# Altium PCB Mirny.PcbDoc (part 5 of 8)
Units mm, origin at the board's own origin, x right, y up, seen from the top; angles counter-clockwise.
Board outline 161.99 x 100.04 mm, 6 copper layers (L1, P2, L3, L4, P5, L6), stack 1.56 mm thick; 832 components, 485 nets, 2438 pads, 1482 vias.
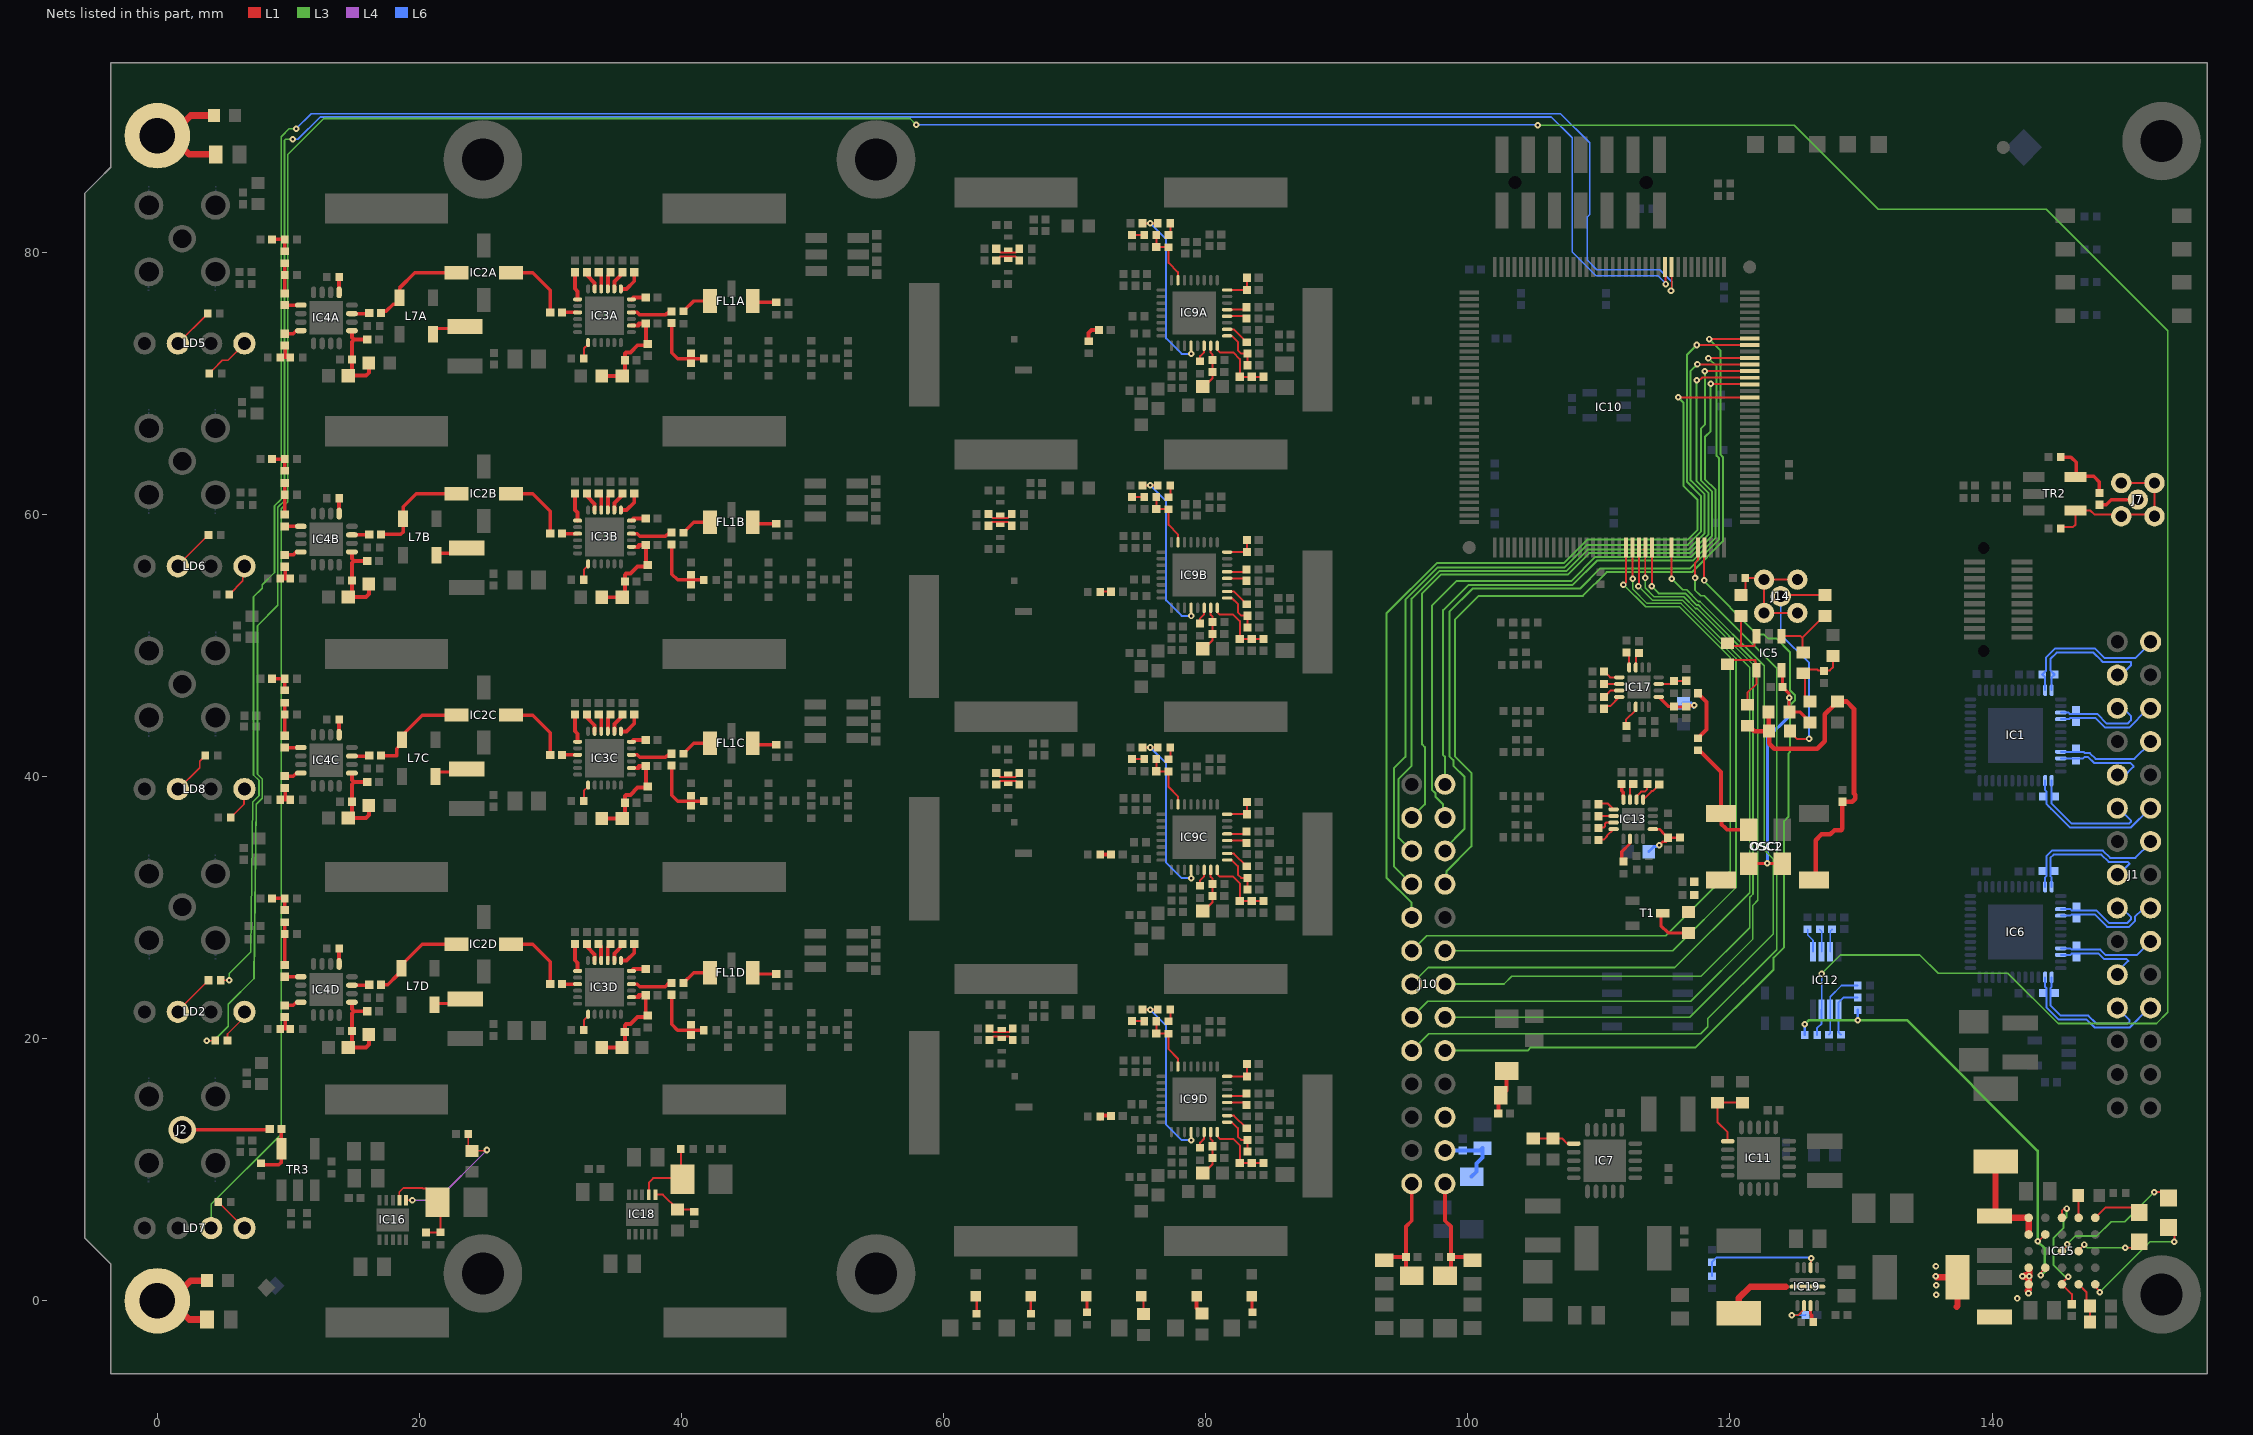
[diagram p9: the nets of this part, all layers, seen from the top]

## Via types
v1: diameter 0.5, hole 0.2, L1 to L6, tented both sides, 1370 vias
v2: diameter 0.6, hole 0.3, L1 to L6, tented both sides, 76 vias
v3: diameter 0.66, hole 0.33, L1 to L6, tented both sides, 36 vias

## Nets (pads, with @x,y where several pads share a name; then routed paths per layer and width w, separated by ;. In a path a pad name is that pad's centre, name@x,y a point inside that pad or via, vN(x,y) a via of type N, cw(c..) or ccw(c..) an arc to the next point about the centre after c; other vN are vias at no path point) (continued)
LED6: IC10.117 R25.1 | length 187.1
  L1 w0.127: R25.1@4.843,24.457 v1(5.488,24.457) ; v1(115.503,77.083) 115.554,77.134 IC10.117@115.554,78.884
  L3 w0.127: v1(5.488,24.457) 5.488,24.975 7.126,26.613 7.291,38.066 7.76,38.535 7.76,39.708 7.343,40.125 7.343,53.725 8,54.383 8,54.641 8.939,55.579 8.939,60.658 9.446,61.165 9.446,88.832 10.06,89.446 v1(10.594,89.446)
  L6 w0.127: v1(10.594,89.446) 11.737,90.589 107.065,90.589 109.294,88.36 109.294,82.884 109.105,82.694 109.105,79.421 109.842,78.684 114.651,78.684 115.568,77.767 115.568,77.148 v1(115.503,77.083)
LED7: IC10.118 R26.1 | length 190.2
  L1 w0.127: v1(3.77,19.85) R26.1@4.414,19.85
  L1 w0.152: IC10.118@115.054,78.884 115.084,78.854 115.084,77.614 v1(115.114,77.585)
  L3 w0.127: v1(3.77,19.85) 4.306,19.85 5.406,20.95 5.406,22.619 7.38,24.593 7.555,37.881 8.014,38.34 8.014,39.814 7.643,40.184 7.643,51.518 9.193,53.068 9.193,60.553 9.7,61.06 9.7,88.546 9.774,88.621 v1(10.338,88.621)
  L6 w0.127: v1(10.338,88.621) 10.719,88.621 12.434,90.335 106.367,90.335 107.954,88.748 107.954,80.034 109.781,78.207 114.505,78.207 115.114,77.598 v1(115.114,77.585)
LVDS0_N: IC1.48 J1.3 R7.2 | length 10.9
  L6 w0.152: IC1.48@144.544,46.588 144.544,47.568 R7.2@144.764,47.788 144.444,48.108 144.444,48.973 144.922,49.452 147.742,49.452 148.368,48.825 148.458,48.736 150.584,48.736 150.584,48.476 149.965,47.857 149.705,47.857 149.705,47.809 J1.3@149.524,47.628
LVDS0_P: IC1.47 J1.2 R7.1 | length 11.7
  L6 w0.152: IC1.47@144.044,46.588 144.044,47.568 R7.1@143.824,47.788 144.133,48.097 144.133,49.093 144.796,49.757 147.868,49.757 148.584,49.041 150.937,49.041 J1.2@152.064,50.168
LVDS1_N: IC1.4 J1.6 R9.2 | length 7.7
  L6 w0.152: IC1.4@145.244,44.388 145.923,44.388 ; 145.923,44.425 145.984,44.486 147.889,44.486 148.639,43.736 150.46,43.736 151.812,45.088 J1.6@152.064,45.088
LVDS1_P: IC1.3 J1.5 R9.1 | length 7.4
  L6 w0.152: IC1.3@145.244,44.888 145.821,44.888 145.919,44.791 148.015,44.791 148.765,44.041 150.334,44.041 150.584,44.291 150.584,44.641 150.136,45.088 J1.5@149.524,45.088
LVDS2_N: IC1.10 J1.9 R11.2 | length 7.5
  L6 w0.152: IC1.10@145.244,41.388 146.951,41.388 147.041,41.478 ; 147.041,41.486 147.334,41.486 147.779,41.041 150.557,41.041 150.774,40.823 150.774,40.742 150.041,40.008 J1.9@149.524,40.008
LVDS2_P: IC1.9 J1.8 R11.1 | length 7.5
  L6 w0.152: IC1.9@145.244,41.888 146.986,41.888 147.066,41.809 ; 147.066,41.791 147.46,41.791 147.905,41.346 150.861,41.346 J1.8@152.064,42.548
LVDS3_N: IC1.14 J1.12 R13.2 | length 11
  L6 w0.152: IC1.14@144.044,39.688 144.044,38.962 144.142,38.865 144.142,37.915 144.323,37.734 144.323,37.72 144.501,37.541 144.515,37.541 145.928,36.128 150.602,36.128 151.942,37.468 J1.12@152.064,37.468
LVDS3_P: IC1.13 J1.11 R13.1 | length 10
  L6 w0.152: IC1.13@144.544,39.688 144.544,37.943 146.055,36.433 150.476,36.433 150.584,36.541 150.584,36.668 149.784,37.468 J1.11@149.524,37.468
LVDS4_N: IC6.48 J1.15 R16.2 | length 10
  L6 w0.152: IC6.48@144.544,31.588 144.544,32.315 144.446,32.412 144.446,33.791 144.696,34.041 148.334,34.041 148.889,33.486 150.35,33.486 150.486,33.35 J1.15@149.524,32.388
LVDS4_P: IC6.47 J1.14 R16.1 | length 11.2
  L6 w0.152: IC6.47@144.044,31.588 144.044,32.315 144.142,32.412 144.142,33.917 144.57,34.346 148.46,34.346 149.015,33.791 150.927,33.791 J1.14@152.064,34.928
LVDS5_N: IC6.4 J1.18 R21.2 | length 8
  L6 w0.152: IC6.4@145.244,29.388 145.97,29.388 146.068,29.486 147.834,29.486 148.779,28.541 150.46,28.541 150.889,28.97 150.889,29.291 151.446,29.848 J1.18@152.064,29.848
LVDS5_P: IC6.3 J1.17 R21.1 | length 7.4
  L6 w0.152: IC6.3@145.244,29.888 145.97,29.888 146.068,29.791 147.96,29.791 148.905,28.846 150.334,28.846 150.584,29.096 150.584,29.291 150.027,29.848 J1.17@149.524,29.848
LVDS6_N: IC6.10 J1.21 R24.2 | length 6.8
  L6 w0.152: IC6.10@145.244,26.388 145.97,26.388 146.068,26.486 148.133,26.486 148.525,26.094 150.233,26.094 150.393,25.934 J1.21@149.558,25.099 ; J1.21@149.524,24.768 J1.21@149.524,24.981
LVDS6_P: IC6.9 J1.20 R24.1 | length 7.5
  L6 w0.152: IC6.9@145.244,26.888 145.97,26.888 146.068,26.791 148.259,26.791 148.652,26.399 151.07,26.399 J1.20@152.098,27.427
LVDS7_N: IC6.14 J1.24 R35.2 | length 11.5
  L6 w0.152: IC6.14@144.044,24.688 144.044,23.962 144.142,23.865 144.142,22.415 145.099,21.458 147.223,21.458 147.826,20.855 150.495,20.855 151.91,22.27 J1.24@151.987,22.347 ; J1.24@151.952,22.228 J1.24@152.064,22.228
LVDS7_P: IC6.13 J1.23 R35.1 | length 10.3
  L6 w0.152: IC6.13@144.544,24.688 144.544,23.962 144.446,23.865 144.446,22.541 145.225,21.763 147.349,21.763 147.952,21.159 150.368,21.159 150.496,21.287 150.496,21.409 J1.23@149.558,22.347
MEZZ_IO0: IC10.57 J10.11 | length 56.5
  L1 w0.152: v1(111.875,54.648) 112.054,54.828 IC10.57@112.054,57.484
  L3 w0.127: J10.11@95.719,26.709 96.853,27.844 115.1,27.844 120.033,32.776 120.033,49.082 116.155,52.96 113.563,52.96 v1(111.875,54.648)
MEZZ_IO1: IC10.58 J10.12 | length 54.9
  L1 w0.152: IC10.58@112.554,57.484 112.573,57.465 v1(112.573,55.093)
  L3 w0.127: J10.12@98.259,26.709 115.636,26.709 120.46,31.533 120.46,49.014 116.26,53.214 113.668,53.214 112.573,54.309 v1(112.573,55.093)
MEZZ_IO2: IC10.59 J10.13 | length 59.9
  L1 w0.152: v1(113.018,54.521) 113.054,54.558 IC10.59@113.054,57.484
  L3 w0.127: J10.13@95.719,24.169 96.987,25.438 115.796,25.438 121.503,31.146 121.503,48.329 116.365,53.468 114.071,53.468 v1(113.018,54.521)
MEZZ_IO3: IC10.60 J10.14 | length 59.1
  L1 w0.127: v1(113.526,55.156) 113.526,57.201 113.399,57.328 IC10.60@113.554,57.484
  L3 w0.127: J10.14@98.259,24.169 102.764,24.169 103.348,24.753 117.79,24.753 121.498,28.461 121.498,30.781 121.757,31.04 121.757,48.556 117.493,52.821 117.371,52.821 116.47,53.722 114.21,53.722 113.526,54.406 v1(113.526,55.156)
MEZZ_IO4: IC10.61 J10.15 | length 63.2
  L1 w0.152: v1(114.034,54.521) 114.054,54.542 IC10.61@114.054,57.484
  L3 w0.127: J10.15@95.719,21.629 96.943,22.854 117.001,22.854 121.752,27.605 121.752,30.192 122.13,30.57 122.13,48.543 117.699,52.973
  L3 w0.152: v1(114.034,54.521) 114.566,53.989 116.581,53.989 117.482,53.088 117.603,53.088 117.708,52.982
MEZZ_IO5: IC10.64 J10.16 | length 60.6
  L1 w0.152: IC10.64@115.554,57.484 115.558,57.48 v1(115.558,55.093)
  L3 w0.127: J10.16@98.259,21.629 116.94,21.629 123.305,27.994 123.305,33.708 122.606,34.407 122.606,48.462 117.713,53.354 117.592,53.354 116.691,54.255 116.395,54.255 v1(115.558,55.093)
MEZZ_IO6: IC10.68 J10.17 | length 64.9
  L1 w0.152: v1(117.336,55.156) 117.336,56.315 117.554,56.534 IC10.68@117.554,57.484
  L3 w0.127: J10.17@95.719,19.089 97.018,20.389 117.773,20.389 118.304,20.92 118.304,21.543 123.559,26.797 123.559,48.274 118.046,53.787 117.777,53.787 117.336,54.228 v1(117.336,55.156)
MEZZ_IO7: IC10.69 J10.18 | length 64.2
  L1 w0.152: v1(118.034,54.966) 118.034,57.464 IC10.69@118.054,57.484
  L3 w0.152: J10.18@98.259,19.089 104.556,19.089 104.804,19.337 117.387,19.337 123.331,25.281 123.331,26.192 124.13,26.992 124.13,36.601 124.456,36.927 124.456,41.756 124.583,41.883 124.583,45.443 124.964,45.824 124.964,46.2 124.583,46.581 124.583,49.502 123.559,50.527 122.917,50.527 122.606,50.838 122.085,50.838 117.958,54.966 v1(118.034,54.966)
MEZZ_IO8: IC10.94 J10.2 | length 51.7
  L1 w0.152: v1(118.533,69.98) 118.557,69.957 121.481,69.957 IC10.94@121.504,69.934
  L3 w0.152: J10.2@98.259,39.409 98.259,41.496 98.115,41.64 98.115,52.693 100.054,54.632 108.004,54.632 109.855,56.484 117.162,56.484 118.903,58.224 118.903,61.882 118.08,62.704 118.08,65.911 118.533,66.364 v1(118.533,69.98)
MEZZ_IO9: IC10.95 J10.3 | length 57.6
  L1 w0.152: v1(117.455,70.25) 117.505,70.2 117.631,70.2 117.865,70.434 IC10.95@121.504,70.434
  L3 w0.152: J10.3@95.719,36.869 96.722,37.873 96.722,42.243 96.508,42.457 96.508,53.979 97.933,55.405 107.619,55.405 109.256,57.042 116.931,57.042 118.344,58.456 118.344,61.651 117.455,62.539 v1(117.455,70.25)
MEZZ_IO10: IC10.96 J10.4 | length 56.6
  L1 w0.152: v1(118.08,70.934) IC10.96@121.504,70.934
  L3 w0.152: J10.4@98.259,36.869 98.115,37.013 98.115,37.869 97.532,38.452 97.532,38.718 97.256,38.994 97.256,53.051 99.116,54.912 107.879,54.912 109.73,56.763 117.046,56.763 118.623,58.34 118.623,61.766 117.801,62.589 117.801,66.574 118.08,66.854 v1(118.08,70.934)
MEZZ_IO11: IC10.97 J10.5 | length 62.1
  L1 w0.152: v1(117.521,71.476) 117.563,71.434 IC10.97@121.504,71.434
  L3 w0.152: J10.5@95.719,34.329 94.716,35.333 94.716,39.825 95.714,40.823 95.714,50.994 95.714,53.581 97.818,55.685 107.503,55.685 109.14,57.322 116.815,57.322 118.064,58.571 118.064,61.535 117.002,62.597 117.002,70.956 v1(117.521,71.476)
MEZZ_IO12: IC10.98 J10.6 | length 59.5
  L1 w0.152: v1(118.359,71.934) IC10.98@121.504,71.934
  L3 w0.152: J10.6@98.259,34.329 98.259,34.522 99.745,36.009 99.745,39.992 98.899,40.838 98.899,41.251 98.592,41.558 98.592,52.568 100.376,54.353 108.568,54.353 110.104,55.889 116.962,55.889 119.182,58.108 119.182,64.271 118.986,64.466 118.986,71.307 v1(118.359,71.934)
MEZZ_IO13: IC10.100 J10.7 | length 66.4
  L1 w0.152: v1(117.455,72.934) IC10.100@121.504,72.934
  L3 w0.152: J10.7@95.719,31.789 94.349,33.16 94.349,40.627 95.23,41.509 95.23,53.492 97.702,55.964 107.387,55.964 109.107,57.684 116.782,57.684 117.785,58.687 117.785,61.419 116.723,62.481 116.723,72.201 v1(117.455,72.934)
MEZZ_IO14: IC10.101 J10.8 | length 63.5
  L1 w0.152: v1(118.406,73.387) 121.457,73.387 IC10.101@121.504,73.434
  L3 w0.152: J10.8@98.259,31.789 98.37,31.901 98.37,32.789 100.263,34.682 100.263,40.282 99.004,41.541 99.004,51.952 100.84,53.787 108.781,53.787 110.587,55.592 110.587,55.609 117.113,55.609 119.461,57.957 119.461,64.386 119.266,64.582 119.266,72.527 v1(118.406,73.387)
MEZZ_IO15: IC10.92 J10.9 | length 66.5
  L1 w0.152: v1(116.054,68.934) IC10.92@121.504,68.934
  L3 w0.152: J10.9@95.719,29.249 95.719,30.371 93.788,32.301 93.788,52.446 97.632,56.289 107.317,56.289 109.105,58.077 116.78,58.077 117.506,58.803 117.506,61.143 116.443,62.205 116.443,68.544 v1(116.054,68.934)
NetB1_1: B1.1 C144.1 R96.1 | length 8.9
  L1 w0.5: B1.1@0,88.9 0.999,88.9 2.543,90.444 R96.1@4.334,90.444 ; B1.1@1.398,88.9 1.398,88.516 2.442,87.472 C144.1@4.463,87.472
NetB2_1: B2.1 C145.1 R137.1 | length 7.7
  L1 w0.5: B2.1@0,0 0.999,0 2.543,1.544 R137.1@3.798,1.544 ; B2.1@1.398,0 1.398,-0.384 2.442,-1.428 C145.1@3.798,-1.428
NetC13A_2: C13A.2 IC9A.29 | length 1.5
  L1 w0.152: IC9A.29@81.63,75.628 C13A.2@83.148,75.628 ; C13A.2@83.12,75.624 C13A.2@83.148,75.624
NetC13B_2: C13B.2 IC9B.29 | length 1.5
  L1 w0.152: IC9B.29@81.63,55.628 C13B.2@83.148,55.628 ; C13B.2@83.12,55.624 C13B.2@83.148,55.624
NetC13C_2: C13C.2 IC9C.29 | length 1.5
  L1 w0.152: IC9C.29@81.63,35.628 C13C.2@83.148,35.628 ; C13C.2@83.12,35.624 C13C.2@83.148,35.624
NetC13D_2: C13D.2 IC9D.29 | length 1.5
  L1 w0.152: IC9D.29@81.63,15.628 C13D.2@83.148,15.628 ; C13D.2@83.12,15.624 C13D.2@83.148,15.624
NetC14A_1: C14A.1 L16A.2 R6A.2 | length 2
  L1 w0.152: C14A.1@64.017,80.275 64.308,79.985 65.493,79.985 R6A.2@65.784,80.275
NetC14B_1: C14B.1 L16B.2 R6B.2 | length 2
  L1 w0.152: C14B.1@63.422,60.03 63.712,59.74 64.898,59.74 R6B.2@65.189,60.03
NetC14C_1: C14C.1 L16C.2 R6C.2 | length 2
  L1 w0.152: C14C.1@64.017,40.275 64.308,39.984 65.493,39.984 R6C.2@65.784,40.275
NetC14D_1: C14D.1 L16D.2 R6D.2 | length 2
  L1 w0.152: C14D.1@63.509,20.783 63.8,20.492 64.985,20.492 R6D.2@65.276,20.783
NetC15A_1: C15A.1 L17A.2 R8A.2 | length 2
  L1 w0.152: C15A.1@64.017,79.386 64.308,79.677 65.493,79.677 R8A.2@65.784,79.386
NetC15B_1: C15B.1 L17B.2 R8B.2 | length 2
  L1 w0.152: C15B.1@63.422,59.141 63.712,59.432 64.898,59.432 R8B.2@65.189,59.141
NetC15C_1: C15C.1 L17C.2 R8C.2 | length 2
  L1 w0.152: C15C.1@64.017,39.386 64.308,39.676 65.493,39.676 R8C.2@65.784,39.386
NetC15D_1: C15D.1 L17D.2 R8D.2 | length 2
  L1 w0.152: C15D.1@63.509,19.894 63.8,20.184 64.985,20.184 R8D.2@65.276,19.894
NetC16A_2: C16A.2 IC9A.7 R14A.2 R17A.1 | length 4.7
  L1 w0.152: R14A.2@76.236,81.332 76.236,80.423 C16A.2@76.219,80.407 77.142,80.407 R17A.1@77.162,80.386 77.162,79.206 77.88,78.488 IC9A.7@77.88,77.878
NetC16B_2: C16B.2 IC9B.7 R14B.2 R17B.1 | length 4.7
  L1 w0.152: R14B.2@76.236,61.332 76.236,60.423 C16B.2@76.219,60.407 77.142,60.407 R17B.1@77.162,60.386 77.162,59.206 77.88,58.488 IC9B.7@77.88,57.878
NetC16C_2: C16C.2 IC9C.7 R14C.2 R17C.1 | length 4.7
  L1 w0.152: R14C.2@76.236,41.332 76.236,40.423 C16C.2@76.219,40.407 77.142,40.407 R17C.1@77.162,40.386 77.162,39.206 77.88,38.488 IC9C.7@77.88,37.878
NetC16D_2: C16D.2 IC9D.7 R14D.2 R17D.1 | length 4.7
  L1 w0.152: R14D.2@76.236,21.332 76.236,20.423 C16D.2@76.219,20.407 77.142,20.407 R17D.1@77.162,20.386 77.162,19.206 77.88,18.488 IC9D.7@77.88,17.878
NetC17A_2: C17A.2 R14A.1 | length 0.9
  L1 w0.152: C17A.2@74.372,81.338 74.377,81.332 R14A.1@75.296,81.332
NetC17B_2: C17B.2 R14B.1 | length 0.9
  L1 w0.152: C17B.2@74.372,61.338 74.377,61.332 R14B.1@75.296,61.332
NetC17C_2: C17C.2 R14C.1 | length 0.9
  L1 w0.152: C17C.2@74.372,41.338 74.377,41.332 R14C.1@75.296,41.332
NetC17D_2: C17D.2 R14D.1 | length 0.9
  L1 w0.152: C17D.2@74.372,21.338 74.377,21.332 R14D.1@75.296,21.332
NetC18A_2: C18A.2 IC9A.20 R18A.2 | length 13.5
  L1 w0.152: C18A.2@75.162,82.221 v1(75.757,82.221) R18A.2@76.352,82.221 ; v1(78.88,72.257) IC9A.20@78.88,72.878
  L6 w0.152: v1(75.757,82.221) 76.976,81.002 76.976,73.441 78.16,72.257 v1(78.88,72.257)
NetC18B_2: C18B.2 IC9B.20 R18B.2 | length 13.5
  L1 w0.152: C18B.2@75.162,62.221 v1(75.757,62.221) R18B.2@76.352,62.221 ; v1(78.88,52.257) IC9B.20@78.88,52.878
  L6 w0.152: v1(75.757,62.221) 76.976,61.002 76.976,53.441 78.16,52.257 v1(78.88,52.257)
NetC18C_2: C18C.2 IC9C.20 R18C.2 | length 13.5
  L1 w0.152: C18C.2@75.162,42.221 v1(75.757,42.221) R18C.2@76.352,42.221 ; v1(78.88,32.257) IC9C.20@78.88,32.878
  L6 w0.152: v1(75.757,42.221) 76.976,41.002 76.976,33.441 78.16,32.257 v1(78.88,32.257)
NetC18D_2: C18D.2 IC9D.20 R18D.2 | length 13.5
  L1 w0.152: C18D.2@75.162,22.221 v1(75.757,22.221) R18D.2@76.352,22.221 ; v1(78.88,12.257) IC9D.20@78.88,12.878
  L6 w0.152: v1(75.757,22.221) 76.976,21.002 76.976,13.441 78.16,12.257 v1(78.88,12.257)
NetC19A_2: C19A.2 C138A.2 IC9A.32 | length 2.5
  L1 w0.152: IC9A.32@81.63,77.128 C138A.2@83.148,77.128 C19A.2@83.148,78.063
NetC19B_2: C19B.2 C138B.2 IC9B.32 | length 2.5
  L1 w0.152: IC9B.32@81.63,57.128 C138B.2@83.148,57.128 C19B.2@83.148,58.063
NetC19C_2: C19C.2 C138C.2 IC9C.32 | length 2.5
  L1 w0.152: IC9C.32@81.63,37.128 C138C.2@83.148,37.128 C19C.2@83.148,38.063
NetC19D_2: C19D.2 C138D.2 IC9D.32 | length 2.5
  L1 w0.152: IC9D.32@81.63,17.128 C138D.2@83.148,17.128 C19D.2@83.148,18.063
NetC20A_2: C20A.2 C83A.2 IC9A.25 | length 3.4
  L1 w0.152: IC9A.25@81.63,73.628 82.001,73.628 82.457,73.172 82.457,72.524 82.707,72.274 C83A.2@83.183,72.274 C20A.2@83.183,71.389
NetC20B_2: C20B.2 C83B.2 IC9B.25 | length 3.4
  L1 w0.152: IC9B.25@81.63,53.628 82.001,53.628 82.457,53.172 82.457,52.524 82.707,52.274 C83B.2@83.183,52.274 C20B.2@83.183,51.389
NetC20C_2: C20C.2 C83C.2 IC9C.25 | length 3.4
  L1 w0.152: IC9C.25@81.63,33.628 82.001,33.628 82.457,33.172 82.457,32.524 82.707,32.274 C83C.2@83.183,32.274 C20C.2@83.183,31.389
NetC20D_2: C20D.2 C83D.2 IC9D.25 | length 3.4
  L1 w0.152: IC9D.25@81.63,13.628 82.001,13.628 82.457,13.172 82.457,12.524 82.707,12.274 C83D.2@83.183,12.274 C20D.2@83.183,11.389
NetC21A_2: C21A.2 C22A.2 C139A.2 IC9A.24 | length 5.5
  L1 w0.152: IC9A.24@80.88,72.878 80.88,72.556 81.073,72.362 82.092,72.362 82.597,71.858 C21A.2@82.597,70.507 C22A.2@83.506,70.507 C139A.2@84.415,70.507
NetC21B_2: C21B.2 C22B.2 C139B.2 IC9B.24 | length 5.5
  L1 w0.152: IC9B.24@80.88,52.878 80.88,52.556 81.073,52.362 82.092,52.362 82.597,51.858 C21B.2@82.597,50.507 C22B.2@83.506,50.507 C139B.2@84.415,50.507
NetC21C_2: C21C.2 C22C.2 C139C.2 IC9C.24 | length 5.5
  L1 w0.152: IC9C.24@80.88,32.878 80.88,32.556 81.073,32.362 82.092,32.362 82.597,31.858 C21C.2@82.597,30.507 C22C.2@83.506,30.507 C139C.2@84.415,30.507
NetC21D_2: C21D.2 C22D.2 C139D.2 IC9D.24 | length 5.5
  L1 w0.152: IC9D.24@80.88,12.878 80.88,12.556 81.073,12.362 82.092,12.362 82.597,11.858 C21D.2@82.597,10.507 C22D.2@83.506,10.507 C139D.2@84.415,10.507
NetC23A_2: C23A.2 C24A.2 C84A.2 IC9A.23 | length 3.6
  L1 w0.152: C84A.2@79.771,69.754 79.865,69.754 80.515,70.403 C24A.2@80.515,70.885 C23A.2@80.515,71.889 ; IC9A.23@80.38,72.878 80.38,72.344 80.522,72.202 C23A.2@80.522,71.793
NetC23B_2: C23B.2 C24B.2 C84B.2 IC9B.23 | length 3.6
  L1 w0.152: C84B.2@79.771,49.754 79.865,49.754 80.515,50.403 C24B.2@80.515,50.885 C23B.2@80.515,51.889 ; IC9B.23@80.38,52.878 80.38,52.344 80.522,52.202 C23B.2@80.522,51.793
NetC23C_2: C23C.2 C24C.2 C84C.2 IC9C.23 | length 3.6
  L1 w0.152: C84C.2@79.771,29.754 79.865,29.754 80.515,30.403 C24C.2@80.515,30.885 C23C.2@80.515,31.889 ; IC9C.23@80.38,32.878 80.38,32.344 80.522,32.202 C23C.2@80.522,31.793
NetC23D_2: C23D.2 C24D.2 C84D.2 IC9D.23 | length 3.6
  L1 w0.152: C84D.2@79.771,9.754 79.865,9.754 80.515,10.403 C24D.2@80.515,10.885 C23D.2@80.515,11.889 ; IC9D.23@80.38,12.878 80.38,12.344 80.522,12.202 C23D.2@80.522,11.793
NetC27A_2: C27A.2 IC9A.28 | length 1.5
  L1 w0.152: IC9A.28@81.63,75.128 C27A.2@83.148,75.128
NetC27B_2: C27B.2 IC9B.28 | length 1.5
  L1 w0.152: IC9B.28@81.63,55.128 C27B.2@83.148,55.128
NetC27C_2: C27C.2 IC9C.28 | length 1.5
  L1 w0.152: IC9C.28@81.63,35.128 C27C.2@83.148,35.128
NetC27D_2: C27D.2 IC9D.28 | length 1.5
  L1 w0.152: IC9D.28@81.63,15.128 C27D.2@83.148,15.128
NetC47A_1: C47A.1 IC3A.15 | length 1.5
  L1 w0.265: C47A.1@30.88,75.414 IC3A.15@32.073,75.414 IC3A.15@31.726,75.414
NetC47A_2: C47A.2 IC2A.1 | length 5.2
  L1 w0.265: IC2A.1@27.002,78.453 28.639,78.453 29.98,77.112 C47A.2@29.98,75.414
NetC47B_1: C47B.1 IC3B.15 | length 1.5
  L1 w0.265: C47B.1@30.88,58.535 IC3B.15@32.073,58.535 IC3B.15@31.726,58.535
NetC47B_2: C47B.2 IC2B.1 | length 5.2
  L1 w0.265: IC2B.1@27.002,61.574 28.639,61.574 29.98,60.232 C47B.2@29.98,58.535
NetC47C_1: C47C.1 IC3C.15 | length 1.5
  L1 w0.265: C47C.1@30.88,41.656 IC3C.15@32.073,41.656 IC3C.15@31.726,41.656
NetC47C_2: C47C.2 IC2C.1 | length 5.2
  L1 w0.265: IC2C.1@27.002,44.695 28.639,44.695 29.98,43.353 C47C.2@29.98,41.656
NetC47D_1: C47D.1 IC3D.15 | length 1.5
  L1 w0.265: C47D.1@30.878,24.168 IC3D.15@32.071,24.168 IC3D.15@31.724,24.168
NetC47D_2: C47D.2 IC2D.1 | length 5.2
  L1 w0.265: IC2D.1@27,27.207 28.637,27.207 29.978,25.866 C47D.2@29.978,24.168
NetC49A_1: C49A.1 IC3A.4 | length 3.3
  L1 w0.265: IC3A.4@36.173,75.414 36.628,75.414 36.818,75.224 38.774,75.224 C49A.1@39.048,75.498 ; C49A.1@39.066,75.516 C49A.1@39.048,75.498 ; C49A.1@39.243,75.498 C49A.1@39.048,75.498
NetC49A_2: C49A.2 R32A.2 R38A.1 R45A.2 | length 4.9
  L1 w0.265: C49A.2@39.253,74.564 39.253,72.334 39.698,71.889 R38A.1@41.703,71.889
NetC49B_1: C49B.1 IC3B.4 | length 3.3
  L1 w0.265: IC3B.4@36.173,58.535 36.628,58.535 36.818,58.345 38.774,58.345 C49B.1@39.048,58.619 ; C49B.1@39.066,58.636 C49B.1@39.048,58.619 ; C49B.1@39.243,58.619 C49B.1@39.048,58.619
NetC49B_2: C49B.2 R32B.2 R38B.1 R45B.2 | length 4.9
  L1 w0.265: C49B.2@39.253,57.685 39.253,55.455 39.698,55.01 R38B.1@41.703,55.01
NetC49C_1: C49C.1 IC3C.4 | length 3.3
  L1 w0.265: IC3C.4@36.173,41.656 36.628,41.656 36.818,41.466 38.774,41.466 C49C.1@39.048,41.74 ; C49C.1@39.066,41.757 C49C.1@39.048,41.74 ; C49C.1@39.243,41.74 C49C.1@39.048,41.74
NetC49C_2: C49C.2 R32C.2 R38C.1 R45C.2 | length 4.9
  L1 w0.265: C49C.2@39.253,40.806 39.253,38.576 39.698,38.131 R38C.1@41.703,38.131
NetC49D_1: C49D.1 IC3D.4 | length 3.3
  L1 w0.265: IC3D.4@36.171,24.168 36.626,24.168 36.816,23.978 38.772,23.978 C49D.1@39.046,24.252 ; C49D.1@39.064,24.27 C49D.1@39.046,24.252 ; C49D.1@39.241,24.252 C49D.1@39.046,24.252
NetC49D_2: C49D.2 R32D.2 R38D.1 R45D.2 | length 4.9
  L1 w0.265: C49D.2@39.251,23.318 39.251,21.088 39.696,20.643 R38D.1@41.701,20.643
NetC51A_1: C51A.1 C52A.2 C53A.2 IC4A.1 L8A.1 | length 7.2
  L1 w0.3: IC4A.1@14.852,74.025 14.852,73.5 15.012,73.339 ; C51A.1@16.023,73.339 15.012,73.339 ; L8A.1@16.148,71.564 16.148,70.814 15.923,70.589 C52A.2@14.573,70.589 14.798,70.814 14.848,70.764 C53A.2@14.848,71.839 14.848,73.175 15.012,73.339
NetC51B_1: C51B.1 C52B.2 C53B.2 IC4B.1 L8B.1 | length 7.2
  L1 w0.3: IC4B.1@14.852,57.145 14.852,56.62 15.012,56.46 ; C51B.1@16.023,56.46 15.012,56.46 ; L8B.1@16.148,54.685 16.148,53.935 15.923,53.71 C52B.2@14.573,53.71 14.798,53.935 14.848,53.885 C53B.2@14.848,54.96 14.848,56.296 15.012,56.46
NetC51C_1: C51C.1 C52C.2 C53C.2 IC4C.1 L8C.1 | length 7.2
  L1 w0.3: IC4C.1@14.852,40.266 14.852,39.741 15.012,39.581 ; C51C.1@16.023,39.581 15.012,39.581 ; L8C.1@16.148,37.806 16.148,37.056 15.923,36.831 C52C.2@14.573,36.831 14.798,37.056 14.848,37.006 C53C.2@14.848,38.081 14.848,39.417 15.012,39.581
NetC51D_1: C51D.1 C52D.2 C53D.2 IC4D.1 L8D.1 | length 7.2
  L1 w0.3: IC4D.1@14.85,22.779 14.85,22.254 15.01,22.093 ; C51D.1@16.021,22.093 15.01,22.093 ; L8D.1@16.146,20.318 16.146,19.568 15.921,19.343 C52D.2@14.571,19.343 14.796,19.568 14.846,19.518 C53D.2@14.846,20.593 14.846,21.929 15.01,22.093